# KiCad board BAGEL-MK1.1-revA.kicad_pcb (continued)
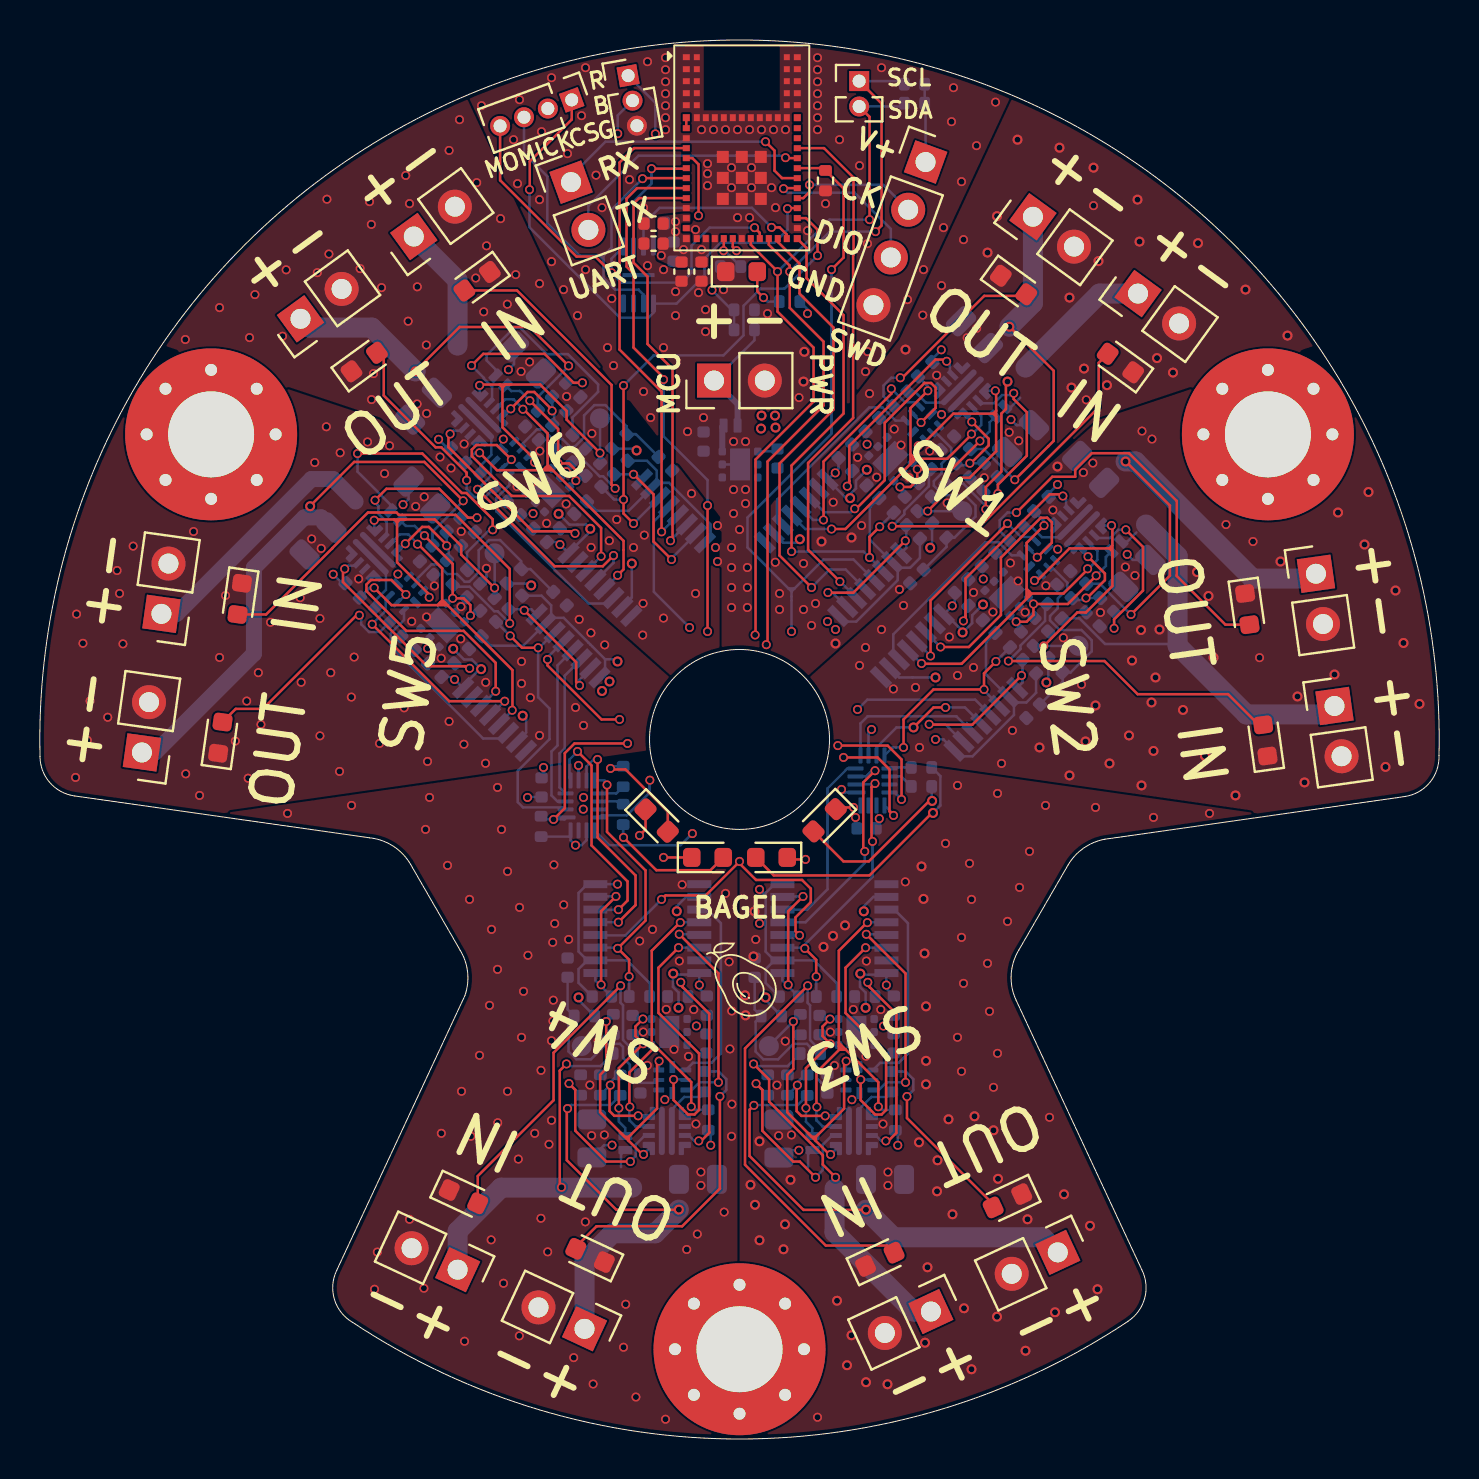
[diagram p0: board, top side]
## Nets
/BLUE_LED: R108.1 U105.10
/BOOT: J107.2 R102.2 U102.22
/EXP_RESET: R103.1 U102.13 U104.1 U105.1
/FLASH_CS: J112.1 U101.1 U102.33
/FLASH_RESET: R101.2 U101.7 U102.29
/GPIO_Clock: R113.2 U102.37 U201.4 U301.4 U401.4 U501.4 U601.4 U701.4
/GREEN_LED: R107.1 U105.9
/I2C_SCL: J111.1 R112.1 U102.27 U104.12 U105.12
/I2C_SDA: J111.2 R109.1 U102.25 U104.13 U105.13
/MainBatt_V: D101.2 J109.1 R110.2
/NRST: J107.1 U102.23
/ORANGE_LED: R106.1 U104.10
/PG_ISO_1: U102.28 U201.5
/PG_ISO_2: U104.7 U301.5
/PG_ISO_3: U104.3 U401.5
/PG_ISO_4: U105.7 U501.5
/PG_ISO_5: U105.3 U601.5
/PG_ISO_6: U102.9 U701.5
/RED_LED: R105.1 U104.9
/SPI_MISO: J112.3 U101.2 U102.12
/SPI_MOSI: J112.4 U101.5 U102.26
/SPI_SCK: J112.2 U101.6 U102.11
/SubBatt_GND1: C201.2 C203.2 C204.2 C205.2 C206.2 C207.1 C208.2 D202.1 D203.1 J101.2 J102.2 R202.1 R206.1 R207.2 R209.2 U201.9 U201.15 U202.4 U203.5 U203.7 U204.8
/SubBatt_GND2: C301.2 C303.2 C304.2 C305.2 C306.2 C307.1 C308.2 D302.1 D303.1 J103.2 J104.2 R302.1 R306.1 R307.2 R309.2 U301.9 U301.15 U302.4 U303.5 U303.7 U304.8
/SubBatt_GND3: C401.2 C403.2 C404.2 C405.2 C406.2 C407.1 C408.2 D402.1 D403.1 J105.2 J106.2 R402.1 R406.1 R407.2 R409.2 U401.9 U401.15 U402.4 U403.5 U403.7 U404.8
/SubBatt_GND4: C501.2 C503.2 C504.2 C505.2 C506.2 C507.1 C508.2 D502.1 D503.1 J113.2 J114.2 R502.1 R506.1 R507.2 R509.2 U501.9 U501.15 U502.4 U503.5 U503.7 U504.8
/SubBatt_GND5: C601.2 C603.2 C604.2 C605.2 C606.2 C607.1 C608.2 D602.1 D603.1 J115.2 J116.2 R602.1 R606.1 R607.2 R609.2 U601.9 U601.15 U602.4 U603.5 U603.7 U604.8
/SubBatt_GND6: C701.2 C703.2 C704.2 C705.2 C706.2 C707.1 C708.2 D702.1 D703.1 J117.2 J118.2 R702.1 R706.1 R707.2 R709.2 U701.9 U701.15 U702.4 U703.5 U703.7 U704.8
/SubBatt_V1: D201.2 J101.1 R203.1 U204.5
/SubBatt_V2: D301.2 J103.1 R303.1 U304.5
/SubBatt_V3: D401.2 J105.1 R403.1 U404.5
/SubBatt_V4: D501.2 J113.1 R503.1 U504.5
/SubBatt_V5: D601.2 J115.1 R603.1 U604.5
/SubBatt_V6: D701.2 J117.1 R703.1 U704.5
/SWCLK: J108.2 U102.34
/SWDIO: J108.3 U102.35
/Switch 1/PG: R205.2 U201.12 U204.3
/Switch 1/Q: J201.1 R202.2 U202.3 U204.1
/Switch 1/Reg_V: C201.1 C203.1 C205.1 C206.1 R204.1 R205.1 U201.10 U201.16 U202.1 U202.8 U203.1
/Switch 1/~{CLR}: C207.2 R204.2 U202.2
/Switch 1/~{Q}: U201.11 U202.5
/Switch 2/PG: R305.2 U301.12 U304.3
/Switch 2/Q: J301.1 R302.2 U302.3 U304.1
/Switch 2/Reg_V: C301.1 C303.1 C305.1 C306.1 R304.1 R305.1 U301.10 U301.16 U302.1 U302.8 U303.1
/Switch 2/~{CLR}: C307.2 R304.2 U302.2
/Switch 2/~{Q}: U301.11 U302.5
/Switch 3/PG: R405.2 U401.12 U404.3
/Switch 3/Q: J401.1 R402.2 U402.3 U404.1
/Switch 3/Reg_V: C401.1 C403.1 C405.1 C406.1 R404.1 R405.1 U401.10 U401.16 U402.1 U402.8 U403.1
/Switch 3/~{CLR}: C407.2 R404.2 U402.2
/Switch 3/~{Q}: U401.11 U402.5
/Switch 4/PG: R505.2 U501.12 U504.3
/Switch 4/Q: J501.1 R502.2 U502.3 U504.1
/Switch 4/Reg_V: C501.1 C503.1 C505.1 C506.1 R504.1 R505.1 U501.10 U501.16 U502.1 U502.8 U503.1
/Switch 4/~{CLR}: C507.2 R504.2 U502.2
/Switch 4/~{Q}: U501.11 U502.5
/Switch 5/PG: R605.2 U601.12 U604.3
/Switch 5/Q: J601.1 R602.2 U602.3 U604.1
/Switch 5/Reg_V: C601.1 C603.1 C605.1 C606.1 R604.1 R605.1 U601.10 U601.16 U602.1 U602.8 U603.1
/Switch 5/~{CLR}: C607.2 R604.2 U602.2
/Switch 5/~{Q}: U601.11 U602.5
/Switch 6/PG: R705.2 U701.12 U704.3
/Switch 6/Q: J701.1 R702.2 U702.3 U704.1
/Switch 6/Reg_V: C701.1 C703.1 C705.1 C706.1 R704.1 R705.1 U701.10 U701.16 U702.1 U702.8 U703.1
/Switch 6/~{CLR}: C707.2 R704.2 U702.2
/Switch 6/~{Q}: U701.11 U702.5
/Switch_1: R201.1 U102.30 U201.3
/Switch_2: R301.1 U104.8 U301.3
/Switch_3: R401.1 U104.2 U401.3
/Switch_4: R501.1 U105.8 U501.3
/Switch_5: R601.1 U105.2 U601.3
/Switch_6: R701.1 U102.32 U701.3
/UART_RX: J110.1 U102.36
/UART_TX: J110.2 U102.38
/V_out_1: C208.1 J102.1 R208.1 R210.1 U204.6
/V_out_2: C308.1 J104.1 R308.1 R310.1 U304.6
/V_out_3: C408.1 J106.1 R408.1 R410.1 U404.6
/V_out_4: C508.1 J114.1 R508.1 R510.1 U504.6
/V_out_5: C608.1 J116.1 R608.1 R610.1 U604.6
/V_out_6: C708.1 J118.1 R708.1 R710.1 U704.6
/V_SENSE: R110.1 R111.2 U102.10
/~{Q}_ISO_1: U102.39 U201.6
/~{Q}_ISO_2: U104.5 U301.6
/~{Q}_ISO_3: U104.4 U401.6
/~{Q}_ISO_4: U105.5 U501.6
/~{Q}_ISO_5: U105.4 U601.6
/~{Q}_ISO_6: U102.14 U701.6
MCU_GND: C101.2 C102.2 C103.2 C104.2 C105.2 C106.2 C107.2 C108.2 C109.2 C202.2 C302.2 C402.2 C502.2 C602.2 C702.2 D102.1 D103.1 D104.1 D105.1 D106.1 J107.3 J108.4 J109.2 R102.1 R111.1 R113.1 R201.2 R301.2 R401.2 R501.2 R601.2 R701.2 U101.4 U101.9 U102.1 U102.2 U102.3 U102.4 U102.5 U102.8 U102.15 U102.17 U102.19 U102.21 U102.24 U102.31 U102.43 U102.44 U102.45 U102.46 U102.47 U102.48 U102.49 U102.50 U102.51 U102.52 U102.53 U102.54 U102.55 U102.56 U102.57 U102.58 U102.59 U102.60 U102.61 U102.62 U102.63 U102.64 U102.65 U102.66 U102.67 U102.68 U102.69 U102.70 U102.71 U102.72 U102.73 U102.74 U102.75 U102.76 U102.77 U103.5 U103.7 U104.6 U104.16 U105.6 U105.15 U201.2 U201.8 U301.2 U301.8 U401.2 U401.8 U501.2 U501.8 U601.2 U601.8 U701.2 U701.8
MCU_V: C101.1 C102.1 C103.1 C104.1 C105.1 C107.1 C108.1 C109.1 C202.1 C302.1 C402.1 C502.1 C602.1 C702.1 J108.1 R101.1 R103.2 R104.2 R109.2 R112.2 U101.8 U102.16 U102.18 U102.20 U103.1 U104.14 U104.15 U105.14 U105.16 U201.1 U201.7 U301.1 U301.7 U401.1 U401.7 U501.1 U501.7 U601.1 U601.7 U701.1 U701.7
Net-(D101-K): C106.1 D101.1 U103.4 U103.6
Net-(D102-A): D102.2 R104.1
Net-(D103-A): D103.2 R105.2
Net-(D104-A): D104.2 R106.2
Net-(D105-A): D105.2 R107.2
Net-(D106-A): D106.2 R108.2
Net-(D201-K): C204.1 D201.1 U203.4 U203.6
Net-(D202-A): D202.2 R203.2
Net-(D203-A): D203.2 R210.2
Net-(D301-K): C304.1 D301.1 U303.4 U303.6
Net-(D302-A): D302.2 R303.2
Net-(D303-A): D303.2 R310.2
Net-(D401-K): C404.1 D401.1 U403.4 U403.6
Net-(D402-A): D402.2 R403.2
Net-(D403-A): D403.2 R410.2
Net-(D501-K): C504.1 D501.1 U503.4 U503.6
Net-(D502-A): D502.2 R503.2
Net-(D503-A): D503.2 R510.2
Net-(D601-K): C604.1 D601.1 U603.4 U603.6
Net-(D602-A): D602.2 R603.2
Net-(D603-A): D603.2 R610.2
Net-(D701-K): C704.1 D701.1 U703.4 U703.6
Net-(D702-A): D702.2 R703.2
Net-(D703-A): D703.2 R710.2
Net-(U102-ANT_IN): U102.6 U102.7
Net-(U201-OUTA): U201.14 U202.6
Net-(U201-OUTB): U201.13 U202.7
Net-(U204-ILM): R206.2 U204.9
Net-(U204-OVLO/OVCSEL): R207.1 U204.2
Net-(U204-PGTH/NFLT): R208.2 R209.1 U204.4
Net-(U301-OUTA): U301.14 U302.6
Net-(U301-OUTB): U301.13 U302.7
Net-(U304-ILM): R306.2 U304.9
Net-(U304-OVLO/OVCSEL): R307.1 U304.2
Net-(U304-PGTH/NFLT): R308.2 R309.1 U304.4
Net-(U401-OUTA): U401.14 U402.6
Net-(U401-OUTB): U401.13 U402.7
Net-(U404-ILM): R406.2 U404.9
Net-(U404-OVLO/OVCSEL): R407.1 U404.2
Net-(U404-PGTH/NFLT): R408.2 R409.1 U404.4
Net-(U501-OUTA): U501.14 U502.6
Net-(U501-OUTB): U501.13 U502.7
Net-(U504-ILM): R506.2 U504.9
Net-(U504-OVLO/OVCSEL): R507.1 U504.2
Net-(U504-PGTH/NFLT): R508.2 R509.1 U504.4
Net-(U601-OUTA): U601.14 U602.6
Net-(U601-OUTB): U601.13 U602.7
Net-(U604-ILM): R606.2 U604.9
Net-(U604-OVLO/OVCSEL): R607.1 U604.2
Net-(U604-PGTH/NFLT): R608.2 R609.1 U604.4
Net-(U701-OUTA): U701.14 U702.6
Net-(U701-OUTB): U701.13 U702.7
Net-(U704-ILM): R706.2 U704.9
Net-(U704-OVLO/OVCSEL): R707.1 U704.2
Net-(U704-PGTH/NFLT): R708.2 R709.1 U704.4

Pads without a net: H101 1; H102 1; H103 1; U101 3; U102 40 41 42; U103 2 3; U104 11; U105 11; U203 2 3; U204 7 10; U303 2 3; U304 7 10; U403 2 3; U404 7 10; U503 2 3; U504 7 10; U603 2 3; U604 7 10; U703 2 3; U704 7 10

## Via types
v1: diameter 0.45, hole 0.3, Top to Bottom, 681 vias
v2: diameter 0.5, hole 0.3, Top to Bottom, 139 vias

## Routing (per net, layer and track width the routed paths; a pad name or vN(x,y) marks a point on that pad's centre or on a via; arc(x,y) is an arc through that point)
/BLUE_LED: length 1.2
  Bottom w0.127: R108.1 29.02,31.89 U105.10
/BOOT: length 12.1
  Top w0.127: U102.22 34.19,59.45 v1(34.18,59.44)
  In2.Cu w0.127: v1(28.89,65.29) 29.15,65.03 29.64,65.03 34.18,60.49 v1(34.18,59.44)
  Bottom w0.127: R102.2 34.24,59.44 v1(34.18,59.44) ; J107.2 28.89,66.2 v1(28.89,65.29)
/EXP_RESET: length 35.6
  Top w0.127: U102.13 29.85,62.57 29.33,62.04 29.33,58.64 29.68,58.29 29.68,54.59 31.18,53.09 v1(31.18,52.99) ; v1(29.38,34.79) 26.73,34.79 26.24,34.31 26.24,31.55 v1(25.68,30.99) ; v1(33.38,46.69) v1(33.38,40.39)
  Bottom w0.127: v1(40.08,32.49) 40.23,32.34 U104.1 ; v1(33.38,46.69) 33.38,47.96 31.18,50.16 v1(31.18,52.99) ; R103.1 25.22,30.99 v1(25.68,30.99) 26.23,30.99 U105.1
/FLASH_CS: length 26.2
  Top w0.127: v1(24.48,62.49) 24.49,62.5 24.49,63.9 26.59,66 J112.1 ; v1(37.38,61.54) 37.4,61.57 U102.33
  Bottom w0.127: v1(24.48,62.49) 24.48,60.6 28.99,56.09 30.43,56.09 30.68,56.34 U101.1 31.83,56.79 33.23,58.19 33.23,59.04 34.02,59.83 36.72,59.83 37.38,60.49 v1(37.38,61.54)
/FLASH_RESET: length 9.4
  Top w0.127: U102.29 37.34,60.24 36.98,60.6 v1(36.58,60.6)
  Bottom w0.127: U101.7 30.18,60.78 R101.2 30.98,61.58 35.6,61.58 v1(36.58,60.6)
/GPIO_Clock: length 70.4
  Top w0.127: v1(39.58,58.49) 40.18,59.09 40.18,62.55 R113.2 39.16,63.57 U102.37 ; v1(37.98,25.19) 37.78,25.39 37.78,26.09 38.54,26.86 38.54,27.53 38.1,27.96 35.8,27.96 34.98,28.79 v1(34.98,28.89) 34.98,28.88 33.29,27.19 31.28,27.19 v1(31.08,26.99) ; v1(25.38,38.99) 25.38,38.69 28.08,35.99 v1(28.98,35.99)
  Bottom w0.127: v1(39.58,58.49) 39.58,50.29 35.38,46.09 35.38,44.59 37.43,42.54 ; U701.4 30.69,45.89 30.69,42.38 v1(32.48,40.59) ; U601.4 25.38,39.09 v1(25.38,38.99) ; U301.4 46.76,36.98 41.37,36.98 v1(40.88,36.49) ; U401.4 37.14,25.19 v1(37.98,25.19) ; 37.73,42.54 39.18,43.99 40.68,43.99 41.7,42.96 U201.4 ; 37.73,42.54 37.58,42.39 ; 37.73,42.54 37.43,42.54 ; 37.43,42.54 37.58,42.39 ; 37.58,42.39 v1(37.58,40.39) ; v1(31.08,26.99) 29.28,25.19 27.79,25.19 U501.4
/GREEN_LED: length 1.3
  Bottom w0.127: R107.1 28.82,32.29 U105.9
/I2C_SCL: length 48
  Top w0.127: v1(36.32,39.73) 36.38,39.79 36.38,48.89 39.18,51.69 39.18,54.89 37.49,56.58 v1(37.49,58.39) 37.49,58.69 36.44,59.74 U102.27 ; v1(43.08,31.99) 43.08,33.99 42.38,34.68 v1(39.89,34.68) ; v1(41.78,60.39) 42.08,60.69 42.08,66.8 J111.1
  Bottom w0.127: U104.12 42.73,32.34 v1(43.08,31.99) ; v1(30.49,32.95) 30.48,32.94 30.48,32.32 29.34,31.19 28.08,31.19 U105.12 ; v1(41.78,60.39) 39.49,60.39 v1(37.49,58.39) ; J111.1 43.06,67.92 R112.1
/I2C_SDA: length 47.3
  Top w0.127: J111.2 41.48,66.13 v1(41.48,60.99) ; U102.25 35.54,59.74 36.88,58.4 v1(36.88,58.39) 36.88,56.39 38.68,54.59 38.68,51.89 35.78,48.99 35.78,40.24 v1(35.76,40.22) ; v1(40.18,34.09) 41.88,34.09 42.48,33.49 42.48,31.39 v1(42.68,31.19)
  Bottom w0.127: J111.2 43.05,66.65 R109.1 ; v1(32.62,30.28) 32.04,29.7 28.47,29.7 U105.13 ; U104.13 42.68,31.24 v1(42.68,31.19) ; v1(36.88,58.39) 39.48,60.99 v1(41.48,60.99)
/MainBatt_V: length 6.1
  Bottom w0.127: J109.1 35.72,54.96 R110.2
  Bottom w0.3: D101.2 34.88,51.77 J109.1
/NRST: length 11.7
  Top w0.127: v1(34.83,59.44) 34.64,59.63 U102.23
  In1.Cu w0.127: v1(30.77,65.28) 30.78,65.29
  In2.Cu w0.127: v1(34.83,59.44) 34.83,60.54 30.77,64.6 v1(30.77,65.28)
  Bottom w0.127: J107.1 30.77,66.83 v1(30.77,65.28)
/ORANGE_LED: length 1.3
  Bottom w0.127: R106.1 43.07,33.14 U104.10
/PG_ISO_1: length 23.8
  Top w0.127: v1(38.58,42.59) 36.98,44.19 36.98,48.79 39.68,51.49 39.68,55.59 37.98,57.29 37.98,58.79 36.89,59.88 U102.28
  Bottom w0.127: v1(38.58,42.59) 39.48,43.49 40.28,43.49 41.26,42.51 U201.5
/PG_ISO_2: length 6.8
  Top w0.127: v1(45.28,36.59) 44.68,36.59 v2(43.68,35.59)
  Bottom w0.127: v1(45.28,36.59) 46.25,36.59 47.07,35.77 U301.5 ; v2(43.68,35.59) 42.83,35.59 41.83,34.59 U104.7
/PG_ISO_3: length 11.6
  Top w0.127: v1(41.24,29.39) 41.17,29.46 41.17,32.84 v1(41.75,33.43)
  In1.Cu w0.127: 41.59,33.43 v1(41.75,33.43)
  Bottom w0.127: U401.5 37.12,25.85 38.28,25.85 41.24,28.81 v1(41.24,29.39) ; 41.6,33.44 41.61,33.43 v1(41.75,33.43) 41.59,33.43 41.3,33.14 U104.3
/PG_ISO_4: length 11.8
  Top w0.127: v1(28.92,25.85) 29.78,26.7 29.78,28.19 27.88,30.09 v1(27.88,33.99)
  Bottom w0.127: v1(27.88,33.99) 27.68,33.99 27.33,33.64 U105.7 ; v1(28.92,25.85) 27.77,25.85 U501.5
/PG_ISO_5: length 8.5
  Bottom w0.127: U601.5 26.63,39.44 25.88,38.69 25.88,34.69 25.58,34.39 25.58,32.19 25.88,31.89 U105.3
/PG_ISO_6: length 24.1
  Top w0.127: v1(31.08,45.38) 31.08,52.39 28.98,54.49 28.98,63.84 29.7,64.57 U102.9
  Bottom w0.127: v1(31.08,45.38) 31.9,46.19 U701.5
/RED_LED: length 1.1
  Bottom w0.127: U104.9 42.53,33.59 R105.1
/SPI_MISO: length 20.3
  Top w0.127: U102.12 30.15,63.07 v1(30.13,63.04)
  Bottom w0.127: 28.18,58.99 28.18,59.19 ; 28.18,58.99 28.18,58.07 28.75,57.49 29.93,57.49 30.18,57.24 U101.2 ; 28.18,58.99 27.98,59.19 ; 28.18,59.19 27.98,59.19 ; 28.18,59.19 28.58,59.59 28.58,61.49 v1(30.13,63.04) ; 27.98,59.19 26.98,59.19 25.37,60.8 25.37,63.15 24.2,64.32 J112.3
/SPI_MOSI: length 21.7
  Top w0.127: v1(28.58,58.34) 27.77,59.14 26.83,59.14 23.01,62.96 J112.4 ; U102.26 35.99,60.33 v1(35.73,60.59)
  Bottom w0.127: v1(35.73,60.59) 33.48,60.59 32.58,59.69 32.58,58.34 32.08,57.84 29.07,57.84 v1(28.58,58.34) 28.58,59.04 U101.5
/SPI_SCK: length 12.4
  Top w0.127: U102.11 32.29,63.54 v1(30.58,63.54)
  In2.Cu w0.127: v1(30.58,63.54) 28.4,63.54 J112.2
  Bottom w0.127: v1(30.58,63.54) 30.58,62.79 29.68,61.89 U101.6
/SubBatt_GND1: length 1.4
  In1.Cu w0.127: v1(52.31,51.98) 52.26,51.92
  Bottom w0.127: U202.4 43.53,50.23 ; 43.92,47.81 43.73,47.81 ; 39.21,47.26 U201.15 39.27,47.19 ; v1(45.36,46.82) 45.32,46.78
  vias: v1(36.77,43.85) v1(36.98,42.29) v1(36.98,41.49) v1(38.18,43.79) v1(38.18,41.49) v1(38.58,40.69) v1(38.78,41.79) v1(39.66,46.86) v1(40.88,49.1) v1(41.08,45.69) v1(41.48,52.29) v1(41.84,48.11) v1(42.71,50.52) v1(42.97,42.49) v1(43.05,49.72) v1(43.45,48.09) v1(44.14,56.21) v1(44.49,49.42) v1(44.84,53.21) v1(45.08,57.69) v1(46.18,59.99) v1(46.36,55.08) v1(46.84,55.56) v1(47.21,48.08) v1(48.46,50.36) v1(48.94,49.93) v1(52.68,61.69) v2(39.08,44.89) v2(39.78,39.79) v2(40.58,45.09) v2(43.28,54.49) v2(47.38,59.34) v2(47.85,61.17) v2(48.88,64.99) v2(50.98,64.59) v2(51.48,57.09) v2(51.58,52.59) v2(52.2,53.54) v2(52.68,63.59) v2(52.93,58.92) v2(53.35,52.71) v2(54.88,61.99) v2(54.98,59.89) v2(55.85,54.07) v2(56.65,53.34) v2(57.9,59.82) v2(60.28,57.49) v2(62.38,55.19)
/SubBatt_GND2: length 1.3
  Bottom w0.127: v1(51.17,40.08) 51.13,40.04 ; 45.08,40.45 U301.15 45.02,40.52 ; C304.2 49.54,41.07 ; U302.4 49.34,43.49
  vias: v1(40.98,38.69) v1(41.28,39.59) v1(42.08,40.49) v1(42.67,37.52) v1(43.18,41.69) v1(43.78,37.59) v1(43.98,34.59) v1(45.47,40.12) v1(45.88,38.19) v1(46.68,42.34) v1(46.68,38.59) v1(47.65,41.37) v1(48.08,33.79) v1(48.52,43.82) v1(48.62,35.44) v1(48.9,42.92) v1(49.26,41.35) v1(50.3,42.68) v1(50.65,46.47) v1(52.08,37.74) v1(52.17,48.34) v1(52.65,48.82) v1(53.02,41.34) v1(54.27,43.62) v1(54.75,43.19) v1(55.1,50.42) v1(55.6,50.02) v1(59.3,45.74) v1(60.65,44.89) v1(60.98,39.08) v2(49.98,34.59) v2(50.88,48.64) v2(51.48,33.19) v2(52.28,34.89) v2(52.78,36.69) v2(53.48,33.79) v2(54.45,35.19) v2(54.6,38.94) v2(55.05,40.47) v2(55.08,32.69) v2(55.58,36.84) v2(55.68,34.42) v2(55.78,38.09) v2(55.98,40.49) v2(57.15,36.47) v2(57.85,43.37) v2(58.25,34.17) v2(58.43,42.17) v2(58.68,39.09) v2(59.78,32.19) v2(62.03,43.89) v2(62.88,37.14) v2(63.23,32.84) v2(64.73,38.24) v2(64.9,46.34) v2(66.23,44.74) v2(66.43,47.37) v2(67.28,33.62) v2(67.78,42.44) v2(68.18,39.82) v2(68.98,36.77)
/SubBatt_GND3: length 1.6
  Bottom w0.127: U402.4 40.97,18.79 ; 41.83,23.94 U401.15 41.92,23.94 ; C404.2 39.11,20.35 ; v1(37.26,19.9) 37.26,19.95
  Bottom w1: J106.2 48.36,8.49
  vias: v1(35.79,24.98) v1(36.85,17.7) v1(36.93,15.17) v1(37.57,15.21) v1(38.88,1.09) v1(39.52,20.35) v1(39.72,18.68) v1(40.67,21.48) v1(41.32,23.91) v1(41.3,19.15) v1(42.04,21.48) v1(42.15,15.76) v1(42.4,13.35) v1(42.4,12.68) v1(43.27,27.87) v1(45.28,29.79) v1(45.88,32.69) v1(45.88,20.09) v1(46.08,25.09) v1(46.08,18.39) v1(46.18,22.79) v1(46.48,28.79) v1(46.58,26.99) v1(47.38,23.79) v1(47.48,21.39) v1(47.68,17.59) v1(47.88,32.29) v1(47.88,19.29) v1(48.38,25.89) v1(48.98,27.59) v1(49.48,29.39) v1(50.28,31.69) v1(50.48,16.09) v1(52.78,31.59) v1(55.68,31.09) v1(58.48,31.29) v2(35.25,22.19) v2(35.28,21.19) v2(35.53,12.72) v2(35.68,24.14) v2(35.73,26.39) v2(35.75,11.72) v2(35.98,14.89) v2(35.98,9.94) v2(37.18,9.49) v2(37.25,10.74) v2(37.53,12.97) v2(39.18,24.62) v2(39.65,25.17) v2(39.85,6.92) v2(40.25,25.69) v2(40.35,3.69) v2(40.58,5.19) v2(41.3,2.84) v2(42.38,2.74) v2(43.95,14.84) v2(44.08,28.64) v2(44.18,27.02) v2(44.23,24.29) v2(44.3,21.64) v2(44.3,18.92) v2(44.3,17.74) v2(44.25,4.82) v2(44.38,8.59) v2(44.88,13.94) v2(44.85,12.39) v2(45.43,15.99) v2(45.63,11.24) v2(46.2,6.54) v2(46.58,3.49) v2(46.73,16.14) v2(47.68,15.44) v2(47.9,13.02) v2(47.85,6.12) v2(49.28,4.42) v2(49.38,10.99) v2(50.75,6.34) v2(51.2,12.24) v2(52.5,10.67) v2(52.88,7.49)
/SubBatt_GND4: length 2
  Bottom w0.127: 32.48,23.94 U501.15 32.57,23.94 ; C504.2 29.76,20.36 ; 28.14,19.91 28.14,20.05 28.31,20.22 R502.1 ; v1(27.91,19.91) 27.91,19.96 ; U502.4 31.62,18.79
  vias: v1(12.38,31.29) v1(15.58,31.69) v1(16.73,7.49) v1(16.87,9.35) v1(18.48,10.99) v1(19.2,7.54) v1(19.28,30.49) v1(19.48,32.09) v1(20.07,15.29) v1(20.38,28.69) v1(21.08,17.39) v1(21.23,4.89) v1(21.48,26.99) v1(21.55,15.14) v1(21.98,19.19) v1(22.48,21.69) v1(22.58,25.49) v1(22.56,9.96) v1(22.88,32.59) v1(22.88,23.49) v1(22.89,15.82) v1(23.08,30.49) v1(23.18,7.79) v1(23.38,28.39) v1(23.38,17.39) v1(23.92,14) v1(23.98,26.59) v1(23.97,5.16) v1(24.08,20.09) v1(24.18,22.39) v1(24.4,24.19) v1(24.74,15.29) v1(25.05,18.44) v1(25.05,11.04) v1(25.39,9.36) v1(25.45,14.74) v1(25.58,19.92) v1(25.58,15.94) v1(25.7,28.72) v1(25.64,24.84) v1(25.67,21.95) v1(25.65,20.91) v1(25.74,25.78) v1(26.19,26.72) v1(26.43,24.99) v1(26.69,4.07) v1(27.27,10.86) v1(27.49,17.7) v1(27.58,15.18) v1(27.66,2.75) v1(28.22,15.21) v1(29.18,4.59) v1(29.29,6.74) v1(29.8,2.1) v1(29.99,24.91) v1(30.16,20.36) v1(30.37,18.68) v1(30.63,25.49) v1(31.31,21.49) v1(31.28,0.99) v1(31.7,19.49) v1(31.97,23.91) v1(32.11,27.73) v1(32.43,19.14) v1(32.34,9.48) v1(32.69,21.48) v1(32.8,15.76) v1(32.87,10.25) v1(33.05,13.36) v1(33.05,12.68) v1(34.21,11.35) v1(34.28,27.29) v1(34.46,23.87) v1(34.5,19.51) v1(34.59,21.41) v1(34.6,16.75) v1(34.58,15.14)
/SubBatt_GND5: length 2.2
  Bottom w0.127: C604.2 21.33,41.92 ; U602.4 18.91,41.71 ; 21.88,37.4 U601.15 21.95,37.46 ; R602.1 22.32,43.1 v1(22.32,43.55) 22.36,43.51
  vias: v1(1.83,41.26) v1(1.78,33.09) v1(2.15,39.8) v1(2.37,34.95) v1(2.5,36.92) v1(3.39,36.1) v1(3.85,43.44) v1(3.98,42.29) v1(4.15,39.77) v1(4.66,44.66) v1(7.29,33.27) v1(7.68,45.39) v1(7.98,32.19) v1(8.98,39.09) v1(9.28,42.19) v1(9.77,34.91) v1(10.34,36.91) v1(10.41,33.05) v1(10.92,38.33) v1(11.05,35.74) v1(11.53,40.85) v1(13.01,42.08) v1(13.06,37.85) v1(13.58,45.02) v1(13.74,48.84) v1(14,41.04) v1(14,35.17) v1(14.06,44.55) v1(14.32,50.63) v1(14.54,38.33) v1(15.01,49.33) v1(14.98,33.39) v1(15.57,37.11) v1(15.71,39.11) v1(15.93,43.02) v1(16.38,49.87) v1(16.98,34.79) v1(17.23,48.29) v1(17.48,49.68) v1(18.21,36.57) v1(18.58,40.9) v1(18.78,46.65) v1(19.21,47.12) v1(19.33,41.12) v1(19.38,33.89) v1(19.72,42.67) v1(20.06,39.05) v1(20.46,35.89) v1(21.06,45.4) v1(21.05,41.63) v1(21.03,40.02) v1(21.2,34.75) v1(22.28,37.85) v1(22.28,33.8) v1(24.08,38.89) v1(24.08,37.79) v1(24.52,37.08) v1(24.98,35.19) v1(26.78,36.59) v1(26.96,41) v1(27.18,35.69) v1(27.55,40.32) v1(28.24,39.72)
/SubBatt_GND6: length 1.3
  Bottom w0.127: U702.4 24.18,48.46 ; C704.2 26.61,48.67 ; 27.22,44.21 U701.15 27.15,44.15 ; v1(27.59,50.3) 27.63,50.26
  vias: v1(7.27,54.99) v1(8.98,56.59) v1(10.48,55.09) v1(10.75,57.24) v1(12.13,55.16) v1(12.31,58.48) v1(13.87,58.34) v1(14.35,62.01) v1(14.45,59.27) v1(16.01,58.54) v1(16.48,61.89) v1(16.57,60.75) v1(16.58,51.99) v1(16.68,53.29) v1(17.08,57.59) v1(18.29,63.2) v1(18.41,55.91) v1(18.48,61.79) v1(18.87,57.63) v1(18.86,51.77) v1(19.32,54.72) v1(19.33,51.3) v1(20,49.12) v1(20.46,64.45) v1(20.55,48.57) v1(20.98,65.99) v1(21.21,49.77) v1(21.79,58.07) v1(21.84,62.84) v1(22.19,56.38) v1(22.33,59.68) v1(23.03,61.04) v1(23.37,56.76) v1(23.79,58.24) v1(23.86,47.65) v1(24.06,53.4) v1(24.48,53.87) v1(24.63,47.87) v1(24.98,57.79) v1(24.99,49.42) v1(25.33,45.8) v1(26.32,48.38) v1(26.31,46.77) v1(26.33,52.15) v1(27.56,44.6) v1(28.47,44.93) v1(28.84,45.99) v1(29.68,44.59) v1(30.22,45.21) v1(30.16,41.8) v1(30.14,40.21) v1(31.18,41.06) v1(32.58,47.29) v1(32.78,42.29)
/SubBatt_V1: length 18.6
  Top w0.127: v2(48.38,52.89) 48.3,52.81 48.3,51.52 48.07,51.29 48.07,48.39 47.29,47.61 v1(47.29,46.51)
  Bottom w0.127: 47.05,53.01 U204.5 ; D201.2 48.56,51.63 49.01,52.08 ; v1(47.29,46.51) 47.29,46.66 46.16,47.79 R203.1
  Bottom w1: J101.1 52.98,57.29 49.28,53.59
/SubBatt_V2: length 24.5
  Bottom w0.127: R303.1 51.97,41.05 53.25,39.77 56.8,39.77 56.88,39.68 ; 52.86,46.27 U304.5 ; D301.2 54.37,44.89 54.82,45.34
  Bottom w1: J103.1 64.3,36.24 60.32,36.24 56.88,39.68 56.88,44.16 55.3,45.74
/SubBatt_V3: length 20.8
  Top w0.127: v1(35.68,18.76) 36.46,17.98 36.46,16.87 39.14,14.19 39.14,13.73 v1(39.78,13.09)
  Bottom w0.127: v1(35.68,18.76) 35.79,18.65 37.38,18.65 R403.1 ; 38.4,13.6 38.4,14.24 D401.2 ; 40.45,14.33 U404.5 ; 35.78,18.66 35.67,18.77
  Bottom w1: 39.73,12.52 39.73,10.34 43.69,6.38 J105.1
/SubBatt_V4: length 22.6
  Top w0.127: v1(26.32,18.76) 25.99,18.42 25.99,12.68 v1(26.08,12.59)
  Bottom w0.127: 29.05,13.6 29.05,14.24 D501.2 ; v1(26.32,18.76) 26.43,18.65 28.03,18.65 R503.1 ; 31.09,14.33 31.09,15.41
  Bottom w1: J113.1 20.88,10.4 23.06,12.57 29.61,12.57
/SubBatt_V5: length 28.8
  Top w0.127: v1(15.88,49.29) 19.12,49.29 21.09,47.32 21.32,47.32 22.63,46 v1(22.63,45.48)
  Bottom w0.127: D601.2 17.51,46.74 17.06,47.2 ; v1(15.88,49.29) 15.88,48.38 17.06,47.2 ; 16.13,45.24 U604.5 ; R603.1 21.35,44.35 22.48,45.48 v1(22.63,45.48)
  Bottom w0.8: 15.78,46.89 14.65,48.01 13.57,48.01 6.83,41.27 J115.1
/SubBatt_V6: length 19
  Bottom w0.127: 21.4,51.98 U704.5 ; R703.1 26.63,51.1 27.91,52.38 27.91,52.75 26.4,54.26 25.33,54.26 24.03,55.57 23.69,55.57 22.33,54.21 22.33,53.95 22.78,53.49 D701.2
  Bottom w1: J117.1 20.88,57.96 20.88,54.69
/SWCLK: length 6.5
  Top w0.127: U102.34 38.17,62.07 38.48,62.38 v1(38.48,62.73)
  Bottom w0.127: J108.2 42.17,62.73 v1(38.48,62.73)
/SWDIO: length 8.3
  Top w0.127: U102.35 37.2,62.57 v1(37.18,62.54)
  Bottom w0.127: v1(37.18,62.54) 37.38,62.34 40.73,62.34 42.54,60.52 J108.3
/Switch 1/PG: length 18.7
  Top w0.127: 43.76,49 43.65,48.89 ; 43.65,48.89 43.65,49.14 ; 43.65,48.89 43.52,48.77 ; 43.52,49.25 43.53,49.26 43.65,49.14 ; 43.52,49.25 43.52,51.56 v1(44.39,52.43) ; 43.52,49.25 43.52,48.77 ; 43.65,49.14 43.76,49.03 45.37,49.03 46.57,50.24 v1(46.57,50.27) ; v1(39.58,45.52) 40.27,45.52 43.52,48.77
  Bottom w0.127: v1(46.57,50.27) 46.6,50.27 47.06,50.72 47.06,51.16 U204.3 46.73,51.49 ; U201.12 38.26,45.52 v1(39.58,45.52) ; v1(44.39,52.43) 44.39,52.65 R205.2
/Switch 1/Q: length 16.3
  Top w0.127: 47.67,51.29 47.81,51.14 47.81,50.87 ; 47.67,51.29 45.67,51.29 44.06,49.68 v1(43.92,49.68) ; 47.67,51.29 47.81,51.43 ; 47.81,50.87 47.81,49.4 46.49,48.08 46.05,48.08 v1(44.38,46.41) ; 47.81,50.87 47.81,51.43 ; 47.89,52.41 47.92,52.43 ; v1(47.77,52.43) 47.81,52.39 47.81,51.43
  Bottom w0.127: 43.87,49.68 v1(43.92,49.68) 43.94,49.68 U202.3 ; J201.1 46.11,46.41 44.39,46.41 v1(44.38,46.41) 44.38,46.41 R202.2 43.89,46.41 ; U204.1 47.39,52.43 v1(47.77,52.43) 47.92,52.43
/Switch 1/Reg_V: length 10.9
  Top w0.127: v1(48.55,50.99) 48.55,51.03 ; v1(45.08,51.25) 45.09,51.24
  In1.Cu w0.127: 37.88,45.12 v2(37.99,45.01)
  Bottom w0.127: v1(45.08,51.25) 45.12,51.25 ; 40.07,48.93 C201.1 39.93,48.54 39.77,48.37 v1(39.77,48.32) 39.71,48.32 U201.16 40.31,47.06 v2(40.51,47.06) 40.51,47.25 40.8,47.55 40.8,47.94 v2(41.34,48.48) 41.44,48.58 ; v2(37.99,45.01) 37.82,44.83 37.15,44.83 U201.10 ; v2(44.51,44.58) 44.6,44.67 R204.1 ; v1(48.55,50.99) 48.83,50.71 C206.1 ; R205.1 44.62,54.03 45.04,54.46 ; U201.10 36.4,45.57 ; U201.10 36.97,45.01
  vias: v1(41.36,49.76) v1(45.07,54.48)
/Switch 1/~{CLR}: length 10.5
  Bottom w0.127: U202.2 44.79,50.34 45.56,49.57 45.56,49.26 45.08,48.78 45.08,48.29 44.69,47.9 44.69,47.68 45.17,47.21 46.26,47.21 46.78,46.69 46.78,46.14 45.72,45.08 R204.2 45.33,44.62 C207.2
/Switch 1/~{Q}: length 10
  Bottom w0.127: U201.11 36.85,46.02 36.85,46.98 41.46,51.6 42.12,51.6 42.78,50.94 U202.5
/Switch 2/PG: length 18.7
  Top w0.127: 49.33,42.51 49.33,44.82 v1(50.2,45.69) ; 49.33,42.51 49.34,42.52 49.46,42.4 ; 49.33,42.51 49.33,42.03 ; 49.46,42.4 49.46,42.15 ; 49.46,42.4 49.57,42.29 51.18,42.29 52.38,43.5 v1(52.38,43.53) ; 49.33,42.03 46.08,38.78 44.09,38.78 v1(44.08,38.79) ; 49.33,42.03 49.46,42.15 ; 49.46,42.15 49.57,42.26
  Bottom w0.127: v1(52.38,43.53) 52.41,43.53 52.87,43.98 52.87,44.42 U304.3 52.54,44.75 ; R305.2 50.2,45.91 v1(50.2,45.69) ; U301.12 44.05,38.79 v1(44.08,38.79)
/Switch 2/Q: length 16.3
  Top w0.127: v1(53.58,45.69) 53.62,45.65 53.62,44.69 ; v1(50.19,39.67) 51.86,41.34 52.3,41.34 53.62,42.66 53.62,44.13 ; 53.62,44.69 53.62,44.13 ; 53.62,44.69 53.48,44.55 ; 53.62,44.13 53.62,44.4 53.48,44.55 ; 53.48,44.55 51.48,44.55 49.87,42.94 v1(49.73,42.94) ; 53.7,45.67 53.73,45.69
  Bottom w0.127: U302.3 49.75,42.94 v1(49.73,42.94) 49.68,42.94 ; U304.1 53.2,45.69 v1(53.58,45.69) 53.73,45.69 ; 49.7,39.67 R302.2 50.19,39.67 v1(50.19,39.67) 50.2,39.67 51.92,39.67 J301.1
/Switch 2/Reg_V: length 11.1
  Top w0.127: v1(54.36,44.25) 54.36,44.29 ; v1(50.89,44.51) 50.9,44.5
  Bottom w0.127: 42.78,38.27 U301.10 42.96,38.09 v2(44.78,38.09) ; R304.1 50.41,37.93 v2(50.32,37.84) ; R305.1 50.43,47.29 50.85,47.72 ; C306.1 54.64,43.97 v1(54.36,44.25) ; v1(50.89,44.51) 50.93,44.51 ; 45.88,42.19 C305.1 45.74,41.8 v1(45.61,41.67) U301.16 45.29,41.25 46.13,40.41 v2(46.13,40.34) 46.15,40.34 46.61,40.81 46.61,41.2 v2(47.15,41.74) 47.25,41.84
  vias: v1(47.17,43.02) v1(50.88,47.74)
/Switch 2/~{CLR}: length 10.5
  Bottom w0.127: U302.2 50.6,43.6 51.37,42.83 51.37,42.52 50.89,42.04 50.89,41.55 50.5,41.16 50.5,40.94 50.98,40.47 52.07,40.47 52.59,39.95 52.59,39.4 51.53,38.34 R304.2 51.14,37.88 C307.2
/Switch 2/~{Q}: length 10
  Bottom w0.127: U301.11 42.66,39.28 42.66,40.24 47.27,44.86 47.93,44.86 48.59,44.2 U302.5
/Switch 3/PG: length 18.7
  Top w0.127: 40.29,19.48 40.29,19.47 40.12,19.47 ; 40.29,19.48 41.92,17.85 v1(41.92,16.62) ; 40.29,19.48 39.94,19.82 ; 40.12,19.47 39.96,19.47 38.82,18.33 38.82,16.63 v1(38.84,16.61) ; 40.12,19.47 39.94,19.65 ; 39.94,19.82 39.94,24.42 41.35,25.83 v1(41.37,25.83) ; 39.94,19.82 39.94,19.65 ; 39.94,19.65 39.94,19.49
  Bottom w0.127: 39.6,15.63 U404.3 39.13,15.63 38.82,15.94 38.82,16.58 v1(38.84,16.61) ; v1(41.37,25.83) 41.39,25.84 U401.12 ; v1(41.92,16.62) 42.07,16.46 R405.2
/Switch 3/Q: length 16.3
  Top w0.127: 38.79,14.91 39.47,14.23 v1(39.53,14.23) ; 38.79,14.91 38.4,15.3 ; 38.79,14.91 38.79,15.11 ; 38.4,15.3 37.36,16.34 37.36,18.21 37.67,18.52 v1(37.67,20.88) ; 38.4,15.3 38.59,15.11 38.79,15.11 ; 39.42,14.16 39.42,14.13 ; v1(40.31,18.9) 40.21,18.8 40.21,16.53 38.79,15.11
  Bottom w0.127: 38.02,21.23 R402.2 37.67,20.89 v1(37.67,20.88) 37.66,20.88 36.45,19.66 J401.1 ; 39.42,14.13 v1(39.53,14.23) 39.8,14.5 U404.1 ; U402.3 40.3,18.89 v1(40.31,18.9) 40.34,18.93
/Switch 3/Reg_V: length 10
  Bottom w0.127: 41.28,21.43 v2(41.28,21.57) 41.28,22.33 41,22.61 41,23.26 v2(41.02,23.28) 41.06,23.23 42.25,23.23 U401.16 v1(42.32,22.7) 42.32,22.53 C405.1 42.5,22.15 ; R405.1 42.89,15.32 42.89,14.73 ; C406.1 37.31,14.44 v1(37.95,14.44) ; R404.1 36.28,21.95 v2(36.28,22.09) ; 41.92,27.11 U401.10 41.67,27.11 41.19,26.64 v2(41.19,26.39)
  vias: v1(40.6,16.97) v1(42.17,20.66) v1(42.89,14.69)
/Switch 3/~{CLR}: length 10.5
  Bottom w0.127: U402.2 40.16,17.82 39.07,17.82 38.85,18.04 38.85,18.71 38.5,19.06 38.5,19.61 38.35,19.76 37.67,19.76 36.9,18.99 36.17,18.99 35.78,19.38 35.78,20.88 R404.2 35.73,21.48 C407.2
/Switch 3/~{Q}: length 10
  Bottom w0.127: U402.5 42,18.81 42.93,18.81 43.4,19.28 43.4,25.8 42.72,26.48 U401.11
/Switch 4/PG: length 18.7
  Top w0.127: v1(29.49,16.61) 29.47,16.63 29.47,18.34 30.61,19.48 30.76,19.48 ; 30.93,19.48 30.93,19.48 30.76,19.48 ; 30.93,19.48 30.59,19.83 ; 30.93,19.48 32.56,17.85 v1(32.56,16.62) ; 30.76,19.48 30.59,19.65 ; v1(32.02,25.83) 32,25.83 30.59,24.42 30.59,19.83 ; 30.59,19.83 30.59,19.65 ; 30.59,19.65 30.59,19.5
  Bottom w0.127: v1(29.49,16.61) 29.47,16.59 29.47,15.94 29.78,15.63 U504.3 30.24,15.63 ; v1(32.56,16.62) 32.72,16.46 R505.2 ; U501.12 32.03,25.85 v1(32.02,25.83)
/Switch 4/Q: length 16.3
  Top w0.127: 29.05,15.31 28.01,16.35 28.01,18.22 28.31,18.52 v1(28.31,20.88) ; 29.05,15.31 29.44,14.91 ; 29.05,15.31 29.24,15.12 29.44,15.12 ; 29.44,14.91 29.44,15.12 ; 29.44,14.91 30.12,14.24 v1(30.18,14.24) ; 29.44,15.12 30.85,16.53 30.85,18.8 v1(30.95,18.9) ; 30.07,14.16 30.07,14.13
  Bottom w0.127: U502.3 30.94,18.89 v1(30.95,18.9) 30.99,18.94 ; 30.07,14.13 v1(30.18,14.24) 30.44,14.5 U504.1 ; 28.67,21.23 R502.2 28.31,20.89 v1(28.31,20.88) 28.31,20.88 27.09,19.67 J501.1
/Switch 4/Reg_V: length 13.5
  Top w0.127: v1(31.24,16.98) 31.23,16.98 ; v1(28.6,14.7) 28.63,14.67
  In2.Cu w0.127: v2(31.66,23.28) 31.54,23.4 31.54,26.1 v2(31.84,26.4)
  Bottom w0.127: 31.93,21.43 v2(31.93,21.57) 31.93,22.33 31.65,22.61 31.65,23.27 v2(31.66,23.28) 31.71,23.23 32.89,23.23 U501.16 v1(32.97,22.71) 32.97,22.53 C501.1 33.14,22.16 ; 32.57,27.12 U501.10 32.31,27.12 31.84,26.64 v2(31.84,26.4) ; v2(26.93,22.09) 26.93,21.96 R504.1 ; 33.54,14.73 33.54,15.32 R505.1 ; v1(31.24,16.98) 31.21,16.94 ; v1(28.6,14.7) 28.21,14.7 C506.1
  vias: v1(32.82,20.66) v1(33.54,14.69)
/Switch 4/~{CLR}: length 10.5
  Bottom w0.127: U502.2 30.8,17.82 29.72,17.82 29.49,18.04 29.49,18.72 29.15,19.06 29.15,19.61 28.99,19.77 28.32,19.77 27.55,18.99 26.82,18.99 26.43,19.38 26.43,20.88 R504.2 26.38,21.48 C507.2
